# KiCad board poly_kb_molecule_8x5.kicad_pcb (continued)
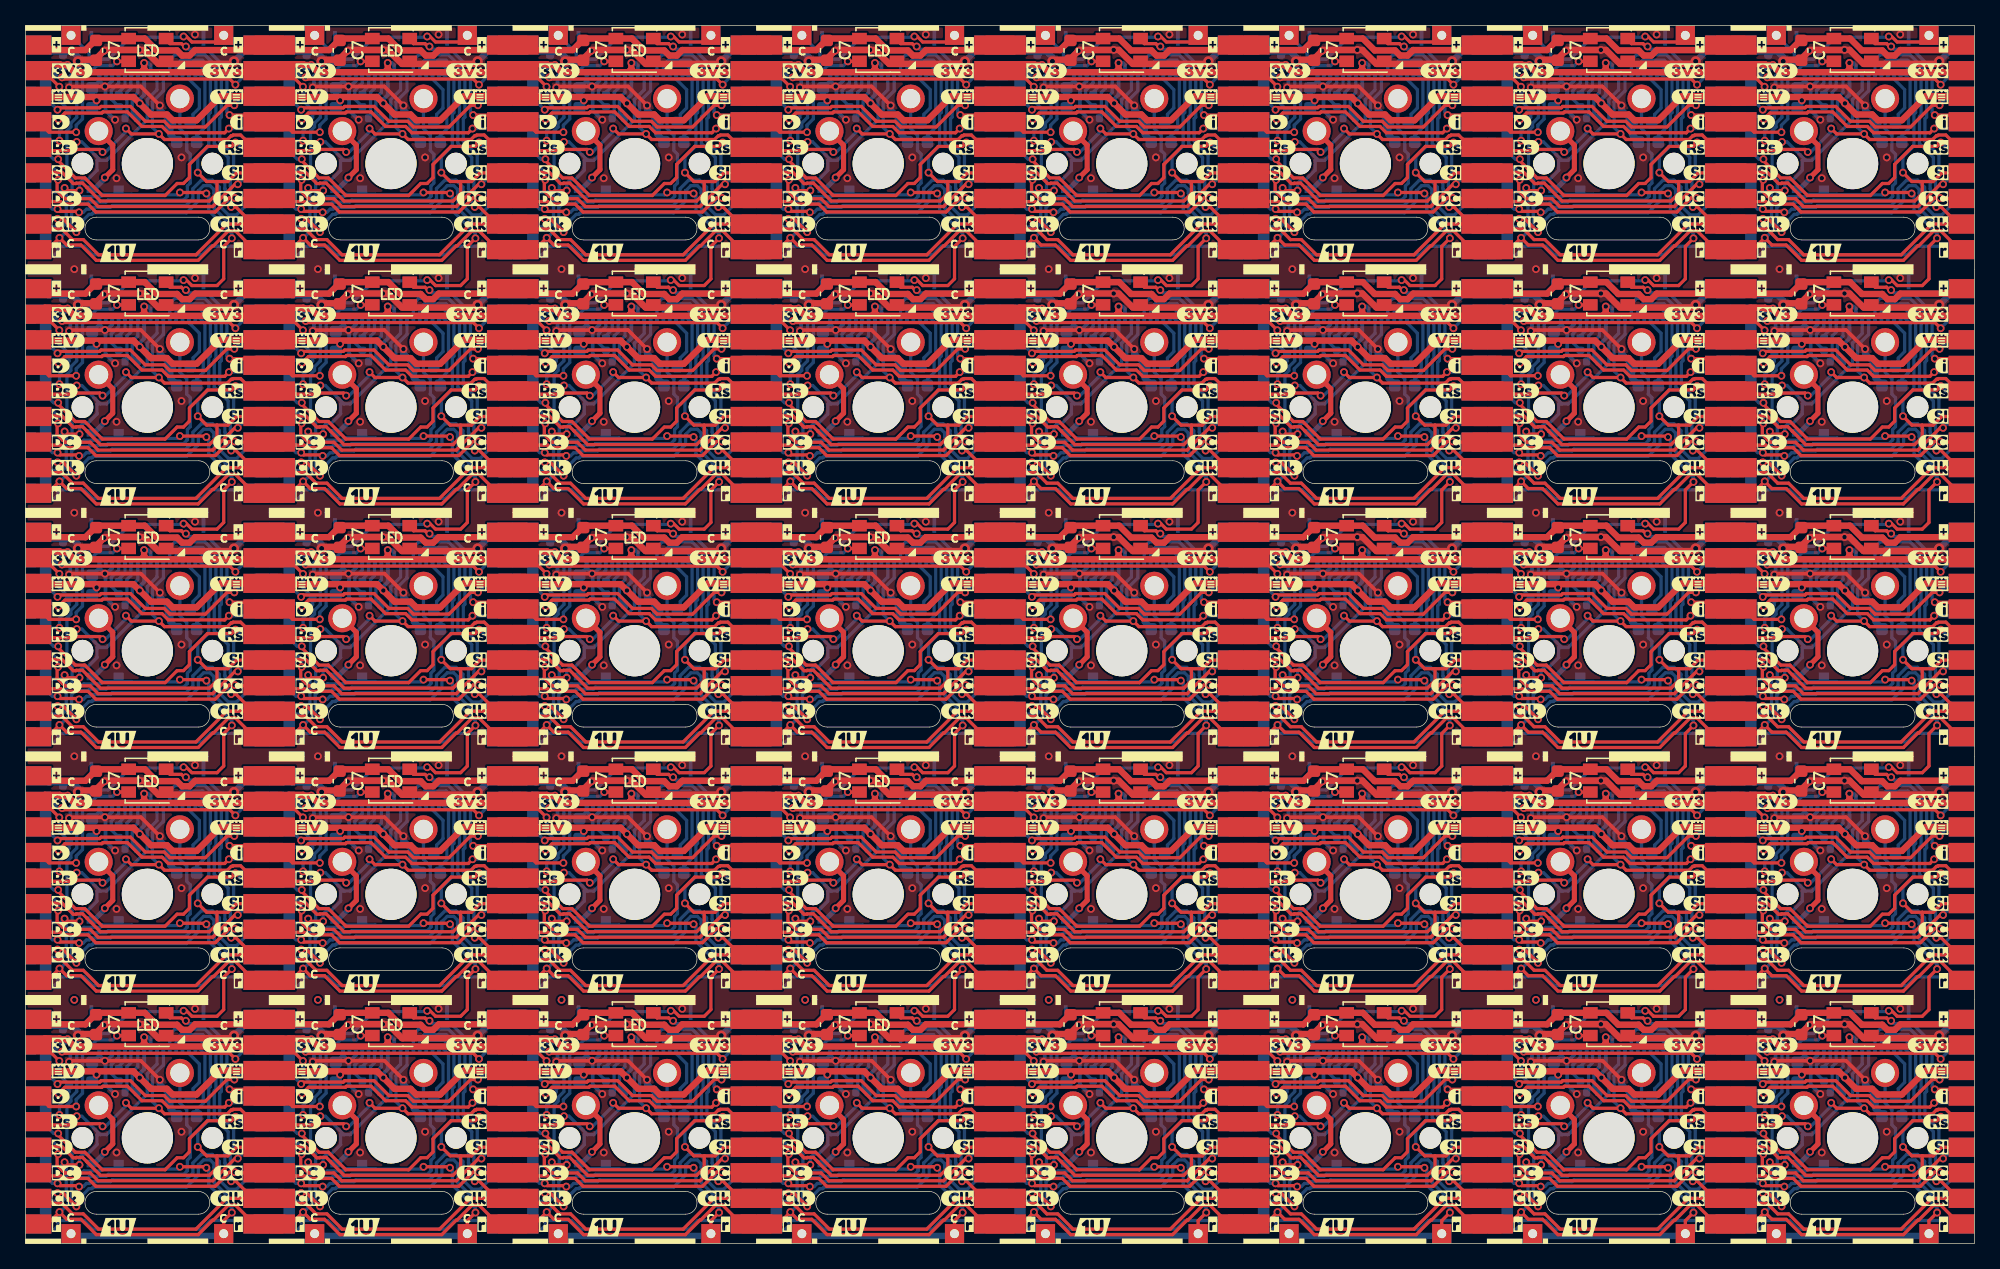
[diagram p0: board, top side]
## Routing (per net, layer and track width the routed paths; a pad name or vN(x,y) marks a point on that pad's centre or on a via; arc(x,y) is an arc through that point) (continued)
  Bottom w1.5: J6#2.1 J5#35.1 ; J6#3.1 J5#25.1 ; J6#30.1 J5#36.1 ; J6#40.1 J5#19.1 ; J6#23.1 J5#8.1 ; J5#38.1 J6#7.1 ; J6#12.1 J5#23.1 ; J6#11.1 J5#31.1 ; J6#8.1 J5#5.1 ; J5#4.1 J6#27.1 ; J6#22.1 J5#24.1 ; J6#15.1 J5#11.1 ; J6#31.1 J5#18.1 ; J5#28.1 J6#19.1 ; J6#37.1 J5#16.1 ; J5#37.1 J6#18.1 ; J6#4.1 J5#2.1 ; J6#13.1 J5#22.1 ; J5#10.1 J6#28.1 ; J6.1 J5#32.1 ; J6#10.1 J5#15.1 ; J6#6.1 J5#33.1 ; J6#36.1 J5#30.1 ; J6#25.1 J5#7.1 ; J6#16.1 J5#9.1 ; J5#26.1 J6#29.1 ; J5#39.1 J6#34.1 ; J5#6.1 J6#26.1 ; J5#29.1 J6#17.1 ; J6#39.1 J5#40.1 ; J6#21.1 J5#17.1 ; J6#14.1 J5#12.1 ; J6#20.1 J5#20.1 ; J6#32.1 J5#14.1 ; J5#13.1 J6#35.1
  vias: v1(3.41,90.41) v1(3.41,71.36) v1(3.41,52.31) v1(3.41,33.26) v1(3.41,14.21) v1(3.81,76.2) v1(3.81,57.15) v1(3.81,38.1) v1(7,87.88) v1(7,68.83) v1(7,49.78) v1(7,30.73) v1(7,11.68) v1(7.11,83.31) v1(7.11,64.26) v1(7.11,45.21) v1(7.11,26.16) v1(7.11,7.11) v1(12.19,84.94) v1(12.19,65.89) v1(12.19,46.84) v1(12.19,27.79) v1(12.19,8.74) v1(13.25,94.55) v1(13.25,75.5) v1(13.25,56.45) v1(13.25,37.4) v1(13.25,18.35) v1(22.46,90.41) v1(22.46,71.36) v1(22.46,52.31) v1(22.46,33.26) v1(22.46,14.21) v1(22.86,76.2) v1(22.86,57.15) v1(22.86,38.1) v1(26.05,87.88) v1(26.05,68.83) v1(26.05,49.78) v1(26.05,30.73) v1(26.05,11.68) v1(26.16,83.31) v1(26.16,64.26) v1(26.16,45.21) v1(26.16,26.16) v1(26.16,7.11) v1(31.24,84.94) v1(31.24,65.89) v1(31.24,46.84) v1(31.24,27.79) v1(31.24,8.74) v1(32.3,94.55) v1(32.3,75.5) v1(32.3,56.45) v1(32.3,37.4) v1(32.3,18.35) v1(41.51,90.41) v1(41.51,71.36) v1(41.51,52.31) v1(41.51,33.26) v1(41.51,14.21) v1(41.91,76.2) v1(41.91,57.15) v1(41.91,38.1) v1(45.1,87.88) v1(45.1,68.83) v1(45.1,49.78) v1(45.1,30.73) v1(45.1,11.68) v1(45.21,83.31) v1(45.21,64.26) v1(45.21,45.21) v1(45.21,26.16) v1(45.21,7.11) v1(50.29,84.94) v1(50.29,65.89) v1(50.29,46.84) v1(50.29,27.79) v1(50.29,8.74) v1(51.35,94.55) v1(51.35,75.5) v1(51.35,56.45) v1(51.35,37.4) v1(51.35,18.35) v1(60.56,90.41) v1(60.56,71.36) v1(60.56,52.31) v1(60.56,33.26) v1(60.56,14.21) v1(60.96,76.2) v1(60.96,57.15) v1(60.96,38.1) v1(64.15,87.88) v1(64.15,68.83) v1(64.15,49.78) v1(64.15,30.73) v1(64.15,11.68) v1(64.26,83.31) v1(64.26,64.26) v1(64.26,45.21) v1(64.26,26.16) v1(64.26,7.11) v1(69.34,84.94) v1(69.34,65.89) v1(69.34,46.84) v1(69.34,27.79) v1(69.34,8.74) v1(70.4,94.55) v1(70.4,75.5) v1(70.4,56.45) v1(70.4,37.4) v1(70.4,18.35) v1(79.61,90.41) v1(79.61,71.36) v1(79.61,52.31) v1(79.61,33.26) v1(79.61,14.21) v1(80.01,76.2) v1(80.01,57.15) v1(80.01,38.1) v1(83.2,87.88) v1(83.2,68.83) v1(83.2,49.78) v1(83.2,30.73) v1(83.2,11.68) v1(83.31,83.31) v1(83.31,64.26) v1(83.31,45.21) v1(83.31,26.16) v1(83.31,7.11) v1(88.39,84.94) v1(88.39,65.89) v1(88.39,46.84) v1(88.39,27.79) v1(88.39,8.74) v1(89.45,94.55) v1(89.45,75.5) v1(89.45,56.45) v1(89.45,37.4) v1(89.45,18.35) v1(98.66,90.41) v1(98.66,71.36) v1(98.66,52.31) v1(98.66,33.26) v1(98.66,14.21) v1(99.06,76.2) v1(99.06,57.15) v1(99.06,38.1) v1(102.25,87.88) v1(102.25,68.83) v1(102.25,49.78) v1(102.25,30.73) v1(102.25,11.68) v1(102.36,83.31) v1(102.36,64.26) v1(102.36,45.21) v1(102.36,26.16) v1(102.36,7.11) v1(107.44,84.94) v1(107.44,65.89) v1(107.44,46.84) v1(107.44,27.79) v1(107.44,8.74) v1(108.5,94.55) v1(108.5,75.5) v1(108.5,56.45) v1(108.5,37.4) v1(108.5,18.35) v1(117.71,90.41) v1(117.71,71.36) v1(117.71,52.31) v1(117.71,33.26) v1(117.71,14.21) v1(118.11,76.2) v1(118.11,57.15) v1(118.11,38.1) v1(121.3,87.88) v1(121.3,68.83) v1(121.3,49.78) v1(121.3,30.73) v1(121.3,11.68) v1(121.41,83.31) v1(121.41,64.26) v1(121.41,45.21) v1(121.41,26.16) v1(121.41,7.11) v1(126.49,84.94) v1(126.49,65.89) v1(126.49,46.84) v1(126.49,27.79) v1(126.49,8.74) v1(127.55,94.55) v1(127.55,75.5) v1(127.55,56.45) v1(127.55,37.4) v1(127.55,18.35) v1(136.76,90.41) v1(136.76,71.36) v1(136.76,52.31) v1(136.76,33.26) v1(136.76,14.21) v1(137.16,76.2) v1(137.16,57.15) v1(137.16,38.1) v1(140.35,87.88) v1(140.35,68.83) v1(140.35,49.78) v1(140.35,30.73) v1(140.35,11.68) v1(140.46,83.31) v1(140.46,64.26) v1(140.46,45.21) v1(140.46,26.16) v1(140.46,7.11) v1(145.54,84.94) v1(145.54,65.89) v1(145.54,46.84) v1(145.54,27.79) v1(145.54,8.74) v1(146.6,94.55) v1(146.6,75.5) v1(146.6,56.45) v1(146.6,37.4) v1(146.6,18.35)
(no net):
  vias: v1(3.81,19.05) v1(22.86,19.05) v1(41.91,19.05) v1(60.96,19.05) v1(80.01,19.05) v1(99.06,19.05) v1(118.11,19.05) v1(137.16,19.05)
/Keyboard/sheet605ED2EB/CS: length 1201.7
  Top w0.254: v1(60.2,44.45) 60.41,44.24 v1(61.37,44.24) ; v1(80.2,48.05) 78.95,48.05 v1(78.85,48.15) ; v1(42.32,44.24) 41.36,44.24 v1(41.15,44.45) ; v1(136.4,25.4) 136.61,25.19 v1(137.57,25.19) ; v1(23.27,44.24) 22.31,44.24 v1(22.1,44.45) ; v1(23.27,63.29) 22.31,63.29 v1(22.1,63.5) ; v1(40.75,10.05) 40.85,9.95 v1(42.1,9.95) ; v1(42.32,63.29) 41.36,63.29 v1(41.15,63.5) ; v1(21.7,10.05) 21.8,9.95 v1(23.05,9.95) ; v1(98.3,82.55) 98.51,82.34 v1(99.47,82.34) ; v1(116.95,86.25) 117.05,86.15 v1(118.3,86.15) ; v1(21.7,86.25) 21.8,86.15 v1(23.05,86.15) ; v1(21.7,67.2) 21.8,67.1 v1(23.05,67.1) ; v1(79.25,6.35) 79.46,6.14 v1(80.42,6.14) ; v1(61.37,6.14) 60.41,6.14 v1(60.2,6.35) ; v1(42.1,67.1) 40.85,67.1 v1(40.75,67.2) ; v1(4.22,25.19) 3.26,25.19 v1(3.05,25.4) ; v1(42.1,48.05) 40.85,48.05 v1(40.75,48.15) ; v1(136,29.1) 136.1,29 v1(137.35,29) ; v1(118.3,29) 117.05,29 v1(116.95,29.1) ; v1(61.37,82.34) 60.41,82.34 v1(60.2,82.55) ; v1(117.35,6.35) 117.56,6.14 v1(118.52,6.14) ; v1(79.25,82.55) 79.46,82.34 v1(80.42,82.34) ; v1(118.3,9.95) 117.05,9.95 v1(116.95,10.05) ; v1(22.1,6.35) 22.31,6.14 v1(23.27,6.14) ; v1(80.42,25.19) 79.46,25.19 v1(79.25,25.4) ; v1(98.3,25.4) 98.51,25.19 v1(99.47,25.19) ; v1(79.25,63.5) 79.46,63.29 v1(80.42,63.29) ; v1(61.37,63.29) 60.41,63.29 v1(60.2,63.5) ; v1(42.32,25.19) 41.36,25.19 v1(41.15,25.4) ; v1(137.35,48.05) 136.1,48.05 v1(136,48.15) ; v1(80.42,44.24) 79.46,44.24 v1(79.25,44.45) ; v1(136.4,44.45) 136.61,44.24 v1(137.57,44.24) ; v1(4.22,63.29) 3.26,63.29 v1(3.05,63.5) ; v1(40.75,29.1) 40.85,29 v1(42.1,29) ; v1(42.32,6.14) 41.36,6.14 v1(41.15,6.35) ; v1(4,67.1) 2.75,67.1 v1(2.65,67.2) ; v1(78.85,29.1) 78.95,29 v1(80.2,29) ; v1(97.9,86.25) 98,86.15 v1(99.25,86.15) ; v1(137.35,86.15) 136.1,86.15 v1(136,86.25) ; v1(61.15,86.15) 59.9,86.15 v1(59.8,86.25) ; v1(118.52,63.29) 117.56,63.29 v1(117.35,63.5) ; v1(22.1,25.4) 22.31,25.19 v1(23.27,25.19) ; v1(118.3,48.05) 117.05,48.05 v1(116.95,48.15) ; v1(3.05,44.45) 3.26,44.24 v1(4.22,44.24) ; v1(4.22,6.14) 3.26,6.14 v1(3.05,6.35) ; v1(42.1,86.15) 40.85,86.15 v1(40.75,86.25) ; v1(80.2,86.15) 78.95,86.15 v1(78.85,86.25) ; v1(59.8,48.15) 59.9,48.05 v1(61.15,48.05) ; v1(22.1,82.55) 22.31,82.34 v1(23.27,82.34) ; v1(136.4,6.35) 136.61,6.14 v1(137.57,6.14) ; v1(4,86.15) 2.75,86.15 v1(2.65,86.25) ; v1(97.9,67.2) 98,67.1 v1(99.25,67.1) ; v1(78.85,67.2) 78.95,67.1 v1(80.2,67.1) ; v1(117.35,44.45) 117.56,44.24 v1(118.52,44.24) ; v1(97.9,10.05) 98,9.95 v1(99.25,9.95) ; v1(2.65,10.05) 2.75,9.95 v1(4,9.95) ; v1(59.8,29.1) 59.9,29 v1(61.15,29) ; v1(98.3,63.5) 98.51,63.29 v1(99.47,63.29) ; v1(2.65,29.1) 2.75,29 v1(4,29) ; v1(97.9,29.1) 98,29 v1(99.25,29) ; v1(21.7,48.15) 21.8,48.05 v1(23.05,48.05) ; v1(99.47,6.14) 98.51,6.14 v1(98.3,6.35) ; v1(137.57,63.29) 136.61,63.29 v1(136.4,63.5) ; v1(136,67.2) 136.1,67.1 v1(137.35,67.1) ; v1(3.05,82.55) 3.26,82.34 v1(4.22,82.34) ; v1(137.35,9.95) 136.1,9.95 v1(136,10.05) ; v1(59.8,10.05) 59.9,9.95 v1(61.15,9.95) ; v1(80.2,9.95) 78.95,9.95 v1(78.85,10.05) ; v1(61.15,67.1) 59.9,67.1 v1(59.8,67.2) ; v1(60.2,25.4) 60.41,25.19 v1(61.37,25.19) ; v1(118.3,67.1) 117.05,67.1 v1(116.95,67.2) ; v1(117.35,82.55) 117.56,82.34 v1(118.52,82.34) ; v1(21.7,29.1) 21.8,29 v1(23.05,29) ; v1(118.52,25.19) 117.56,25.19 v1(117.35,25.4) ; v1(42.32,82.34) 41.36,82.34 v1(41.15,82.55) ; v1(136.4,82.55) 136.61,82.34 v1(137.57,82.34) ; v1(99.47,44.24) 98.51,44.24 v1(98.3,44.45) ; v1(97.9,48.15) 98,48.05 v1(99.25,48.05) ; v1(4,48.05) 2.75,48.05 v1(2.65,48.15)
  Bottom w0.25: J5#37.10 135.12,33.1 136.75,31.47 R1#39.2 ; R1#7.2 98.65,31.47 97.02,33.1 J5#16.10 ; J5#14.10 97.02,52.15 98.65,50.52 R1#17.2 ; J5#30.10 116.07,33.1 117.7,31.47 R1#36.2 ; J5#24.10 77.97,52.15 79.6,50.52 R1#6.2 ; R1#32.2 60.55,12.42 58.92,14.05 J5#6.10 ; J5#39.10 135.12,52.15 136.75,50.52 R1#23.2 ; R1#25.2 136.75,12.42 135.12,14.05 J5#26.10 ; R1#11.2 22.45,69.57 20.82,71.2 J5#19.10 ; R1#26.2 41.5,12.42 39.87,14.05 J5#36.10 ; R1#21.2 60.55,88.62 58.92,90.25 J5#28.10 ; J5#12.10 77.97,33.1 79.6,31.47 R1#15.2 ; J5#3.10 1.77,33.1 3.4,31.47 R1#8.2 ; R1#14.2 98.65,12.42 97.02,14.05 J5#8.10 ; J5#25.10 116.07,71.2 117.7,69.57 R1#24.2 ; R1#18.2 60.55,50.52 58.92,52.15 J5#29.10 ; R1#5.2 136.75,69.57 135.12,71.2 J5#38.10 ; J5#10.10 58.92,71.2 60.55,69.57 R1#19.2 ; R1#3.2 98.65,69.57 97.02,71.2 J5#23.10 ; R1#40.2 79.6,88.62 77.97,90.25 J5#11.10 ; R1#20.2 22.45,88.62 20.82,90.25 J5#32.10 ; J5.10 1.77,90.25 3.4,88.62 R1#28.2 ; J5#18.10 20.82,14.05 22.45,12.42 R1#10.2 ; J5#4.10 58.92,33.1 60.55,31.47 R1#37.2 ; J5#7.10 77.97,14.05 79.6,12.42 R1#30.2 ; R1#22.2 3.4,69.57 1.77,71.2 J5#27.10 ; J5#20.10 116.07,90.25 117.7,88.62 R1#34.2 ; J5#40.10 39.87,33.1 41.5,31.47 R1#38.2 ; R1#29.2 98.65,88.62 97.02,90.25 J5#22.10 ; R1#31.2 22.45,31.47 20.82,33.1 J5#31.10 ; R1#27.2 41.5,69.57 39.87,71.2 J5#35.10 ; R1#35.2 117.7,50.52 116.07,52.15 J5#9.10 ; R1#12.2 22.45,50.52 20.82,52.15 J5#5.10 ; J5#17.10 39.87,52.15 41.5,50.52 R1#9.2 ; R1#2.2 79.6,69.57 77.97,71.2 J5#15.10 ; J5#13.10 135.12,90.25 136.75,88.62 R1#33.2 ; R1#4.2 117.7,12.42 116.07,14.05 J5#33.10 ; J5#34.10 1.77,52.15 3.4,50.52 R1#13.2 ; J5#2.10 39.87,90.25 41.5,88.62 R1#16.2 ; R1.2 3.4,12.42 1.77,14.05 J5#21.10
  Bottom w0.254: 39.87,10.03 40.73,10.03 v1(40.75,10.05) 40.75,10.8 41.24,11.29 41.24,11.59 41.5,11.85 R1#26.2 ; J5#3.10 2.04,22.35 2.88,22.35 3.18,22.66 3.18,25.24 3.05,25.38 ; v1(99.47,6.14) 99.47,6.71 99.75,6.99 100.11,6.99 100.84,7.72 100.84,8.51 101.59,8.51 104.76,11.68 104.76,13.26 105.53,14.02 J1#31.10 ; v1(117.35,6.35) 117.02,6.03 116.07,6.03 ; J1#21.10 86.47,52.12 85.71,51.36 85.71,49.78 82.54,46.61 81.79,46.61 81.79,45.82 81.06,45.09 80.7,45.09 80.42,44.81 v1(80.42,44.24) ; J5#40.10 40.14,22.35 40.98,22.35 41.28,22.66 41.28,25.24 41.15,25.38 ; v1(41.15,6.35) 40.82,6.03 39.87,6.03 ; 62.99,65.66 61.55,67.1 v1(61.15,67.1) ; 39.87,25.08 40.82,25.08 v1(41.15,25.4) ; 3.05,6.33 3.18,6.19 3.18,3.61 2.88,3.3 2.04,3.3 J5#21.10 ; 139.19,27.56 137.75,29 v1(137.35,29) ; 82.04,8.51 80.6,9.95 v1(80.2,9.95) ; v1(42.1,9.95) 42.5,9.95 43.94,8.51 ; 120.14,84.71 118.7,86.15 v1(118.3,86.15) ; 1.77,67.18 2.63,67.18 v1(2.65,67.2) 2.65,67.95 3.14,68.44 3.14,68.74 3.4,69 R1#22.2 ; J5#11.10 78.24,79.5 79.08,79.5 79.38,79.81 79.38,82.39 79.25,82.53 ; J5#35.10 40.14,60.45 40.98,60.45 41.28,60.76 41.28,63.34 41.15,63.48 ; J1#10.10 48.38,90.22 47.61,89.46 47.61,87.88 44.44,84.71 43.69,84.71 43.69,83.92 42.96,83.19 42.6,83.19 42.32,82.91 v1(42.32,82.34) ; v1(42.32,44.24) 42.32,44.81 42.6,45.09 42.96,45.09 43.69,45.82 43.69,46.61 44.44,46.61 47.61,49.78 47.61,51.36 48.38,52.12 J1#12.10 ; 135.12,86.23 135.98,86.23 v1(136,86.25) 136,87 136.49,87.49 136.49,87.79 136.75,88.05 R1#33.2 ; 97.02,48.13 97.88,48.13 v1(97.9,48.15) 97.9,48.9 98.39,49.39 98.39,49.69 98.65,49.95 R1#17.2 ; v1(137.35,86.15) 137.75,86.15 139.19,84.71 ; J5#2.10 40.14,79.5 40.98,79.5 41.28,79.81 41.28,82.39 41.15,82.53 ; R1#24.2 117.7,69 117.44,68.74 117.44,68.44 116.95,67.95 v1(116.95,67.2) 116.93,67.18 116.07,67.18 ; J1#27.10 48.38,14.02 47.61,13.26 47.61,11.68 44.44,8.51 43.69,8.51 43.69,7.72 42.96,6.99 42.6,6.99 42.32,6.71 v1(42.32,6.14) ; 116.07,10.03 116.93,10.03 v1(116.95,10.05) 116.95,10.8 117.44,11.29 117.44,11.59 117.7,11.85 R1#4.2 ; 5.84,65.66 4.4,67.1 v1(4,67.1) ; 43.94,65.66 42.5,67.1 v1(42.1,67.1) ; 82.04,46.61 80.6,48.05 v1(80.2,48.05) ; v1(136.4,44.45) 136.07,44.12 135.12,44.12 ; 82.04,84.71 80.6,86.15 v1(80.2,86.15) ; v1(99.25,29) 99.65,29 101.09,27.56 ; v1(23.27,25.19) 23.27,25.76 23.55,26.04 23.91,26.04 24.64,26.77 24.64,27.56 25.39,27.56 28.56,30.73 28.56,32.31 29.33,33.07 J1#2.10 ; J1#3.10 67.42,33.07 66.66,32.31 66.66,30.73 63.49,27.56 62.74,27.56 62.74,26.77 62.01,26.04 61.65,26.04 61.37,25.76 v1(61.37,25.19) ; v1(137.57,6.14) 137.57,6.71 137.85,6.99 138.21,6.99 138.94,7.72 138.94,8.51 139.69,8.51 142.86,11.68 142.86,13.26 143.62,14.02 J1#15.10 ; 58.92,44.12 59.87,44.12 v1(60.2,44.45) ; 79.25,6.33 79.38,6.19 79.38,3.61 79.08,3.3 78.24,3.3 J5#7.10 ; 97.02,44.12 97.97,44.12 v1(98.3,44.45) ; 139.19,65.66 137.75,67.1 v1(137.35,67.1) ; R1#32.2 60.55,11.85 60.29,11.59 60.29,11.29 59.8,10.8 v1(59.8,10.05) 59.78,10.03 58.92,10.03 ; v1(117.35,44.45) 117.02,44.12 116.07,44.12 ; J5#12.10 78.24,22.35 79.08,22.35 79.38,22.66 79.38,25.24 79.25,25.38 ; 116.07,25.08 117.02,25.08 v1(117.35,25.4) ; R1#28.2 3.4,88.05 3.14,87.79 3.14,87.49 2.65,87 v1(2.65,86.25) 2.63,86.23 1.77,86.23 ; 120.14,27.56 118.7,29 v1(118.3,29) ; v1(136.4,82.55) 136.07,82.22 135.12,82.22 ; v1(23.27,63.29) 23.27,63.86 23.55,64.14 23.91,64.14 24.64,64.87 24.64,65.66 25.39,65.66 28.56,68.83 28.56,70.41 29.33,71.17 J1#30.10 ; 39.87,44.12 40.82,44.12 v1(41.15,44.45) ; 5.84,27.56 4.4,29 v1(4,29) ; 60.2,44.43 60.33,44.29 60.33,41.71 60.03,41.4 59.19,41.4 J5#29.10 ; 1.77,25.08 2.72,25.08 v1(3.05,25.4) ; R1#35.2 117.7,49.95 117.44,49.69 117.44,49.39 116.95,48.9 v1(116.95,48.15) 116.93,48.13 116.07,48.13 ; R1#11.2 22.45,69 22.19,68.74 22.19,68.44 21.7,67.95 v1(21.7,67.2) 21.68,67.18 20.82,67.18 ; J1#38.10 105.53,90.22 104.76,89.46 104.76,87.88 101.59,84.71 100.84,84.71 100.84,83.92 100.11,83.19 99.75,83.19 99.47,82.91 v1(99.47,82.34) ; 39.87,67.18 40.73,67.18 v1(40.75,67.2) 40.75,67.95 41.24,68.44 41.24,68.74 41.5,69 R1#27.2 ; R1#5.2 136.75,69 136.49,68.74 136.49,68.44 136,67.95 v1(136,67.2) 135.98,67.18 135.12,67.18 ; J5#13.10 135.39,79.5 136.23,79.5 136.53,79.81 136.53,82.39 136.4,82.53 ; 5.84,84.71 4.4,86.15 v1(4,86.15) ; J1#17.10 105.53,71.17 104.76,70.41 104.76,68.83 101.59,65.66 100.84,65.66 100.84,64.87 100.11,64.14 99.75,64.14 99.47,63.86 v1(99.47,63.29) ; v1(3.05,6.35) 2.72,6.03 1.77,6.03 ; J5#26.10 135.39,3.3 136.23,3.3 136.53,3.61 136.53,6.19 136.4,6.33 ; J5#14.10 97.29,41.4 98.13,41.4 98.43,41.71 98.43,44.29 98.3,44.43 ; J1#16.10 143.62,71.17 142.86,70.41 142.86,68.83 139.69,65.66 138.94,65.66 138.94,64.87 138.21,64.14 137.85,64.14 137.57,63.86 v1(137.57,63.29) ; v1(79.25,82.55) 78.92,82.22 77.97,82.22 ; J5#37.10 135.39,22.35 136.23,22.35 136.53,22.66 136.53,25.24 136.4,25.38 ; v1(117.35,82.55) 117.02,82.22 116.07,82.22 ; J5#15.10 78.24,60.45 79.08,60.45 79.38,60.76 79.38,63.34 79.25,63.48 ; 58.92,25.08 59.87,25.08 v1(60.2,25.4) ; J5#39.10 135.39,41.4 136.23,41.4 136.53,41.71 136.53,44.29 136.4,44.43 ; 120.14,46.61 118.7,48.05 v1(118.3,48.05) ; J1#8.10 124.57,14.02 123.81,13.26 123.81,11.68 120.64,8.51 119.89,8.51 119.89,7.72 119.16,6.99 118.8,6.99 118.52,6.71 v1(118.52,6.14) ; J5#8.10 97.29,3.3 98.13,3.3 98.43,3.61 98.43,6.19 98.3,6.33 ; J1#6.10 10.27,33.07 9.51,32.31 9.51,30.73 6.34,27.56 5.59,27.56 5.59,26.77 4.86,26.04 4.5,26.04 4.22,25.76 v1(4.22,25.19) ; J5#20.10 116.34,79.5 117.18,79.5 117.48,79.81 117.48,82.39 117.35,82.53 ; v1(23.27,82.34) 23.27,82.91 23.55,83.19 23.91,83.19 24.64,83.92 24.64,84.71 25.39,84.71 28.56,87.88 28.56,89.46 29.33,90.22 J1#24.10 ; v1(60.2,6.35) 59.87,6.03 58.92,6.03 ; v1(118.3,9.95) 118.7,9.95 120.14,8.51 ; 117.35,63.48 117.48,63.34 117.48,60.76 117.18,60.45 116.34,60.45 J5#25.10 ; R1#19.2 60.55,69 60.29,68.74 60.29,68.44 59.8,67.95 v1(59.8,67.2) 59.78,67.18 58.92,67.18 ; R1#20.2 22.45,88.05 22.19,87.79 22.19,87.49 21.7,87 v1(21.7,86.25) 21.68,86.23 20.82,86.23 ; 20.82,10.03 21.68,10.03 v1(21.7,10.05) 21.7,10.8 22.19,11.29 22.19,11.59 22.45,11.85 R1#10.2 ; 1.77,82.22 2.72,82.22 v1(3.05,82.55) ; 60.2,25.38 60.33,25.24 60.33,22.66 60.03,22.35 59.19,22.35 J5#4.10 ; 101.09,65.66 99.65,67.1 v1(99.25,67.1) ; R1#31.2 22.45,30.9 22.19,30.64 22.19,30.34 21.7,29.85 v1(21.7,29.1) 21.68,29.08 20.82,29.08 ; v1(3.05,44.45) 2.72,44.12 1.77,44.12 ; R1#2.2 79.6,69 79.34,68.74 79.34,68.44 78.85,67.95 v1(78.85,67.2) 78.83,67.18 77.97,67.18 ; 135.12,48.13 135.98,48.13 v1(136,48.15) 136,48.9 136.49,49.39 136.49,49.69 136.75,49.95 R1#23.2 ; J5#23.10 97.29,60.45 98.13,60.45 98.43,60.76 98.43,63.34 98.3,63.48 ; J1#34.10 48.38,33.07 47.61,32.31 47.61,30.73 44.44,27.56 43.69,27.56 43.69,26.77 42.96,26.04 42.6,26.04 42.32,25.76 v1(42.32,25.19) ; 62.99,27.56 61.55,29 v1(61.15,29) ; 97.02,67.18 97.88,67.18 v1(97.9,67.2) 97.9,67.95 98.39,68.44 98.39,68.74 98.65,69 R1#3.2 ; v1(99.47,25.19) 99.47,25.76 99.75,26.04 100.11,26.04 100.84,26.77 100.84,27.56 101.59,27.56 104.76,30.73 104.76,32.31 105.53,33.07 J1#40.10 ; R1#29.2 98.65,88.05 98.39,87.79 98.39,87.49 97.9,87 v1(97.9,86.25) 97.88,86.23 97.02,86.23 ; 3.05,82.53 3.18,82.39 3.18,79.81 2.88,79.5 2.04,79.5 J5.10 ; R1#39.2 136.75,30.9 136.49,30.64 136.49,30.34 136,29.85 v1(136,29.1) 135.98,29.08 135.12,29.08 ; J5#36.10 40.14,3.3 40.98,3.3 41.28,3.61 41.28,6.19 41.15,6.33 ; v1(23.05,48.05) 23.45,48.05 24.89,46.61 ; J1#32.10 143.62,90.22 142.86,89.46 142.86,87.88 139.69,84.71 138.94,84.71 138.94,83.92 138.21,83.19 137.85,83.19 137.57,82.91 v1(137.57,82.34) ; 117.35,25.38 117.48,25.24 117.48,22.66 117.18,22.35 116.34,22.35 J5#30.10 ; v1(80.42,6.14) 80.42,6.71 80.7,6.99 81.06,6.99 81.79,7.72 81.79,8.51 82.54,8.51 85.71,11.68 85.71,13.26 86.47,14.02 J1#25.10 ; v1(136.4,63.5) 136.07,63.17 135.12,63.17 ; v1(23.05,86.15) 23.45,86.15 24.89,84.71 ; v1(22.1,82.55) 21.77,82.22 20.82,82.22 ; 135.12,10.03 135.98,10.03 v1(136,10.05) 136,10.8 136.49,11.29 136.49,11.59 136.75,11.85 R1#25.2 ; v1(118.3,67.1) 118.7,67.1 120.14,65.66 ; v1(79.25,6.35) 78.92,6.03 77.97,6.03 ; J1#20.10 124.57,71.17 123.81,70.41 123.81,68.83 120.64,65.66 119.89,65.66 119.89,64.87 119.16,64.14 118.8,64.14 118.52,63.86 v1(118.52,63.29) ; J5#16.10 97.29,22.35 98.13,22.35 98.43,22.66 98.43,25.24 98.3,25.38 ; 58.92,82.22 59.87,82.22 v1(60.2,82.55) ; 116.07,86.23 116.93,86.23 v1(116.95,86.25) 116.95,87 117.44,87.49 117.44,87.79 117.7,88.05 R1#34.2 ; 60.2,63.48 60.33,63.34 60.33,60.76 60.03,60.45 59.19,60.45 J5#10.10 ; R1#6.2 79.6,49.95 79.34,49.69 79.34,49.39 78.85,48.9 v1(78.85,48.15) 78.83,48.13 77.97,48.13 ; J1#19.10 124.57,52.12 123.81,51.36 123.81,49.78 120.64,46.61 119.89,46.61 119.89,45.82 119.16,45.09 118.8,45.09 118.52,44.81 v1(118.52,44.24) ; 39.87,29.08 40.73,29.08 v1(40.75,29.1) 40.75,29.85 41.24,30.34 41.24,30.64 41.5,30.9 R1#38.2 ; v1(4.22,44.24) 4.22,44.81 4.5,45.09 4.86,45.09 5.59,45.82 5.59,46.61 6.34,46.61 9.51,49.78 9.51,51.36 10.27,52.12 J1#9.10 ; 58.92,29.08 59.78,29.08 v1(59.8,29.1) 59.8,29.85 60.29,30.34 60.29,30.64 60.55,30.9 R1#37.2 ; R1#13.2 3.4,49.95 3.14,49.69 3.14,49.39 2.65,48.9 v1(2.65,48.15) 2.63,48.13 1.77,48.13 ; J5#18.10 21.09,3.3 21.93,3.3 22.23,3.61 22.23,6.19 22.1,6.33 ; v1(118.52,25.19) 118.52,25.76 118.8,26.04 119.16,26.04 119.89,26.77 119.89,27.56 120.64,27.56 123.81,30.73 123.81,32.31 124.57,33.07 J1#5.10 ; 5.84,8.51 4.4,9.95 v1(4,9.95) ; v1(61.37,6.14) 61.37,6.71 61.65,6.99 62.01,6.99 62.74,7.72 62.74,8.51 63.49,8.51 66.66,11.68 66.66,13.26 67.42,14.02 J1#29.10 ; 77.97,29.08 78.83,29.08 v1(78.85,29.1) 78.85,29.85 79.34,30.34 79.34,30.64 79.6,30.9 R1#15.2 ; v1(61.37,63.29) 61.37,63.86 61.65,64.14 62.01,64.14 62.74,64.87 62.74,65.66 63.49,65.66 66.66,68.83 66.66,70.41 67.42,71.17 J1#33.10 ; v1(41.15,63.5) 40.82,63.17 39.87,63.17 ; v1(23.27,6.14) 23.27,6.71 23.55,6.99 23.91,6.99 24.64,7.72 24.64,8.51 25.39,8.51 28.56,11.68 28.56,13.26 29.33,14.02 J1#13.10 ; v1(80.42,63.29) 80.42,63.86 80.7,64.14 81.06,64.14 81.79,64.87 81.79,65.66 82.54,65.66 85.71,68.83 85.71,70.41 86.47,71.17 J1#36.10 ; v1(22.1,63.5) 21.77,63.17 20.82,63.17 ; v1(61.15,48.05) 61.55,48.05 62.99,46.61 ; v1(98.3,6.35) 97.97,6.03 97.02,6.03 ; J5#9.10 116.34,41.4 117.18,41.4 117.48,41.71 117.48,44.29 117.35,44.43 ; 98.3,82.53 98.43,82.39 98.43,79.81 98.13,79.5 97.29,79.5 J5#22.10 ; J5#32.10 21.09,79.5 21.93,79.5 22.23,79.81 22.23,82.39 22.1,82.53 ; J1#35.10 67.42,52.12 66.66,51.36 66.66,49.78 63.49,46.61 62.74,46.61 62.74,45.82 62.01,45.09 61.65,45.09 61.37,44.81 v1(61.37,44.24) ; 20.82,6.03 21.77,6.03 v1(22.1,6.35) ; 139.19,46.61 137.75,48.05 v1(137.35,48.05) ; 79.25,44.43 79.38,44.29 79.38,41.71 79.08,41.4 78.24,41.4 J5#24.10 ; 97.02,82.22 97.97,82.22 v1(98.3,82.55) ; v1(42.32,63.29) 42.32,63.86 42.6,64.14 42.96,64.14 43.69,64.87 43.69,65.66 44.44,65.66 47.61,68.83 47.61,70.41 48.38,71.17 J1#4.10 ; J5#31.10 21.09,22.35 21.93,22.35 22.23,22.66 22.23,25.24 22.1,25.38 ; v1(42.1,29) 42.5,29 43.94,27.56 ; 135.12,25.08 136.07,25.08 v1(136.4,25.4) ; 101.09,84.71 99.65,86.15 v1(99.25,86.15) ; v1(23.27,44.24) 23.27,44.81 23.55,45.09 23.91,45.09 24.64,45.82 24.64,46.61 25.39,46.61 28.56,49.78 28.56,51.36 29.33,52.12 J1#23.10 ; v1(42.1,48.05) 42.5,48.05 43.94,46.61 ; 20.82,44.12 21.77,44.12 v1(22.1,44.45) ; R1#8.2 3.4,30.9 3.14,30.64 3.14,30.34 2.65,29.85 v1(2.65,29.1) 2.63,29.08 1.77,29.08 ; 58.92,48.13 59.78,48.13 v1(59.8,48.15) 59.8,48.9 60.29,49.39 60.29,49.69 60.55,49.95 R1#18.2 ; J1#37.10 86.47,33.07 85.71,32.31 85.71,30.73 82.54,27.56 81.79,27.56 81.79,26.77 81.06,26.04 80.7,26.04 80.42,25.76 v1(80.42,25.19) ; v1(22.1,25.4) 21.77,25.08 20.82,25.08 ; v1(80.2,29) 80.6,29 82.04,27.56 ; 77.97,10.03 78.83,10.03 v1(78.85,10.05) 78.85,10.8 79.34,11.29 79.34,11.59 79.6,11.85 R1#30.2 ; v1(61.15,9.95) 61.55,9.95 62.99,8.51 ; v1(98.3,25.4) 97.97,25.08 97.02,25.08 ; 135.12,6.03 136.07,6.03 v1(136.4,6.35) ; J5#19.10 21.09,60.45 21.93,60.45 22.23,60.76 22.23,63.34 22.1,63.48 ; 58.92,86.23 59.78,86.23 v1(59.8,86.25) 59.8,87 60.29,87.49 60.29,87.79 60.55,88.05 R1#21.2 ; 77.97,25.08 78.92,25.08 v1(79.25,25.4) ; v1(23.05,29) 23.45,29 24.89,27.56 ; 62.99,84.71 61.55,86.15 v1(61.15,86.15) ; J5#34.10 2.04,41.4 2.88,41.4 3.18,41.71 3.18,44.29 3.05,44.43 ; J5#5.10 21.09,41.4 21.93,41.4 22.23,41.71 22.23,44.29 22.1,44.43 ; 1.77,63.17 2.72,63.17 v1(3.05,63.5) ; 116.07,63.17 117.02,63.17 v1(117.35,63.5) ; 101.09,8.51 99.65,9.95 v1(99.25,9.95) ; v1(99.25,48.05) 99.65,48.05 101.09,46.61 ; R1#7.2 98.65,30.9 98.39,30.64 98.39,30.34 97.9,29.85 v1(97.9,29.1) 97.88,29.08 97.02,29.08 ; v1(4,48.05) 4.4,48.05 5.84,46.61 ; v1(137.57,44.24) 137.57,44.81 137.85,45.09 138.21,45.09 138.94,45.82 138.94,46.61 139.69,46.61 142.86,49.78 142.86,51.36 143.62,52.12 J1#11.10 ; J1#14.10 86.47,90.22 85.71,89.46 85.71,87.88 82.54,84.71 81.79,84.71 81.79,83.92 81.06,83.19 80.7,83.19 80.42,82.91 v1(80.42,82.34) ; R1#40.2 79.6,88.05 79.34,87.79 79.34,87.49 78.85,87 v1(78.85,86.25) 78.83,86.23 77.97,86.23 ; 39.87,82.22 40.82,82.22 v1(41.15,82.55) ; 77.97,63.17 78.92,63.17 v1(79.25,63.5) ; R1.2 3.4,11.85 3.14,11.59 3.14,11.29 2.65,10.8 v1(2.65,10.05) 2.63,10.03 1.77,10.03 ; v1(60.2,63.5) 59.87,63.17 58.92,63.17 ; J1#39.10 10.27,71.17 9.51,70.41 9.51,68.83 6.34,65.66 5.59,65.66 5.59,64.87 4.86,64.14 4.5,64.14 4.22,63.86 v1(4.22,63.29) ; 24.89,8.51 23.45,9.95 v1(23.05,9.95) ; v1(79.25,44.45) 78.92,44.12 77.97,44.12 ; 39.87,86.23 40.73,86.23 v1(40.75,86.25) 40.75,87 41.24,87.49 41.24,87.79 41.5,88.05 R1#16.2 ; J5#38.10 135.39,60.45 136.23,60.45 136.53,60.76 136.53,63.34 136.4,63.48 ; v1(4.22,6.14) 4.22,6.71 4.5,6.99 4.86,6.99 5.59,7.72 5.59,8.51 6.34,8.51 9.51,11.68 9.51,13.26 10.27,14.02 J1#22.10 ; 3.05,63.48 3.18,63.34 3.18,60.76 2.88,60.45 2.04,60.45 J5#27.10 ; J1#28.10 143.62,33.07 142.86,32.31 142.86,30.73 139.69,27.56 138.94,27.56 138.94,26.77 138.21,26.04 137.85,26.04 137.57,25.76 v1(137.57,25.19) ; v1(23.05,67.1) 23.45,67.1 24.89,65.66 ; R1#36.2 117.7,30.9 117.44,30.64 117.44,30.34 116.95,29.85 v1(116.95,29.1) 116.93,29.08 116.07,29.08 ; J5#17.10 40.14,41.4 40.98,41.4 41.28,41.71 41.28,44.29 41.15,44.43 ; J5#6.10 59.19,3.3 60.03,3.3 60.33,3.61 60.33,6.19 60.2,6.33 ; 97.02,63.17 97.97,63.17 v1(98.3,63.5) ; 82.04,65.66 80.6,67.1 v1(80.2,67.1) ; v1(99.47,44.24) 99.47,44.81 99.75,45.09 100.11,45.09 100.84,45.82 100.84,46.61 101.59,46.61 104.76,49.78 104.76,51.36 105.53,52.12 J1#7.10 ; 20.82,48.13 21.68,48.13 v1(21.7,48.15) 21.7,48.9 22.19,49.39 22.19,49.69 22.45,49.95 R1#12.2 ; 97.02,10.03 97.88,10.03 v1(97.9,10.05) 97.9,10.8 98.39,11.29 98.39,11.59 98.65,11.85 R1#14.2 ; 43.94,84.71 42.5,86.15 v1(42.1,86.15) ; J1#26.10 124.57,90.22 123.81,89.46 123.81,87.88 120.64,84.71 119.89,84.71 119.89,83.92 119.16,83.19 118.8,83.19 118.52,82.91 v1(118.52,82.34) ; v1(61.37,82.34) 61.37,82.91 61.65,83.19 62.01,83.19 62.74,83.92 62.74,84.71 63.49,84.71 66.66,87.88 66.66,89.46 67.42,90.22 J1#18.10 ; R1#9.2 41.5,49.95 41.24,49.69 41.24,49.39 40.75,48.9 v1(40.75,48.15) 40.73,48.13 39.87,48.13 ; J5#33.10 116.34,3.3 117.18,3.3 117.48,3.61 117.48,6.19 117.35,6.33 ; J1.10 10.27,90.22 9.51,89.46 9.51,87.88 6.34,84.71 5.59,84.71 5.59,83.92 4.86,83.19 4.5,83.19 4.22,82.91 v1(4.22,82.34) ; 60.2,82.53 60.33,82.39 60.33,79.81 60.03,79.5 59.19,79.5 J5#28.10 ; v1(137.35,9.95) 137.75,9.95 139.19,8.51
